# Altium PCB mTRL.PcbDoc
Units mm, origin at the board's own origin, x right, y up, seen from the top; angles counter-clockwise.
Board outline 230 x 100 mm, 2 copper layers (Top Layer, Bottom Layer), stack 1.62 mm thick; 14 components, 2 nets, 60 pads, 2244 vias.
Unrouted connection lines stored in the file: 5.
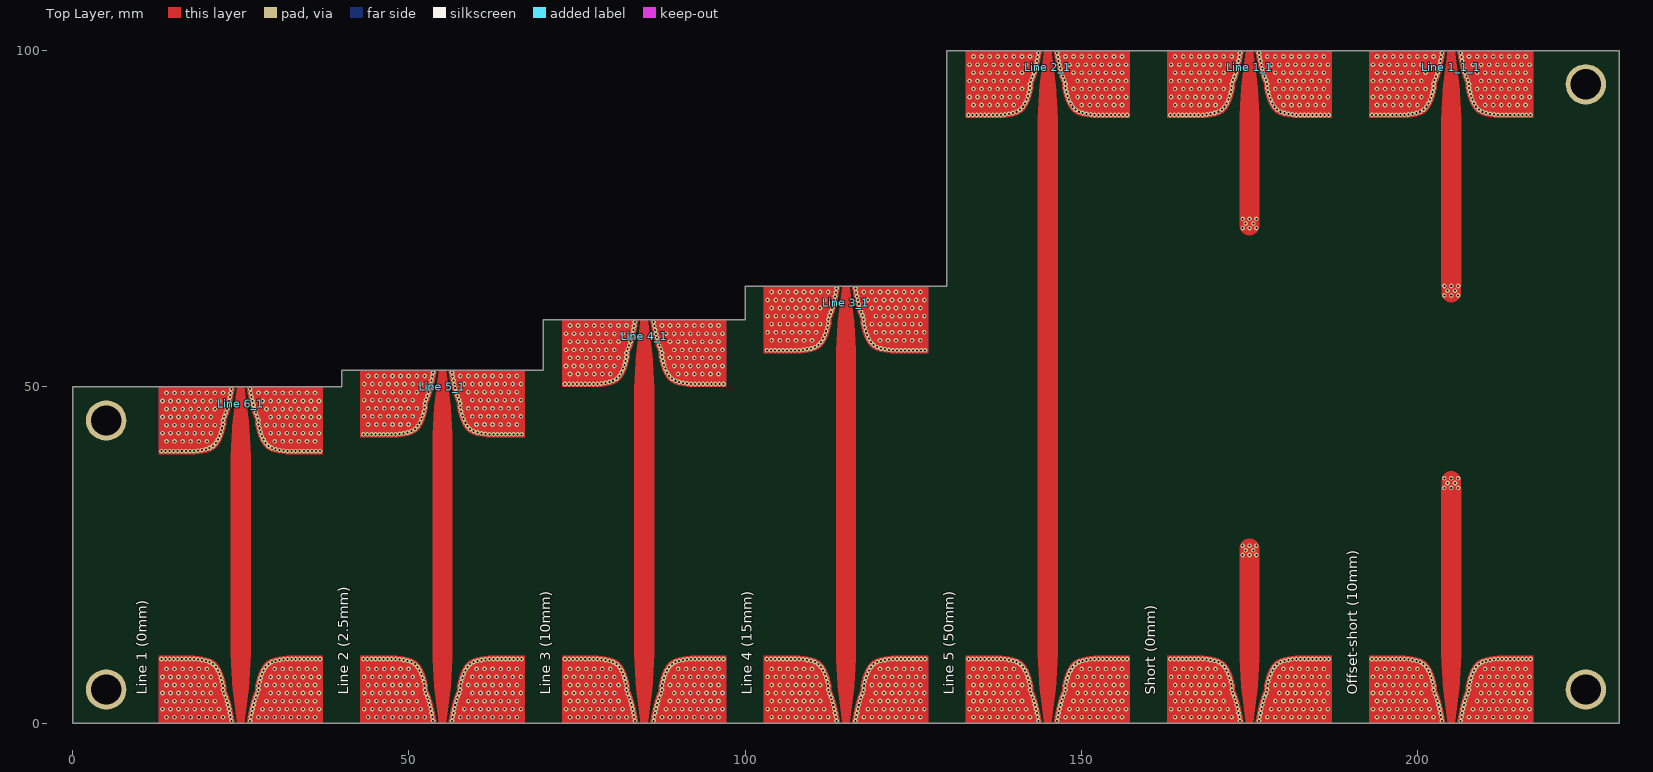
[diagram p0: Top Layer view]
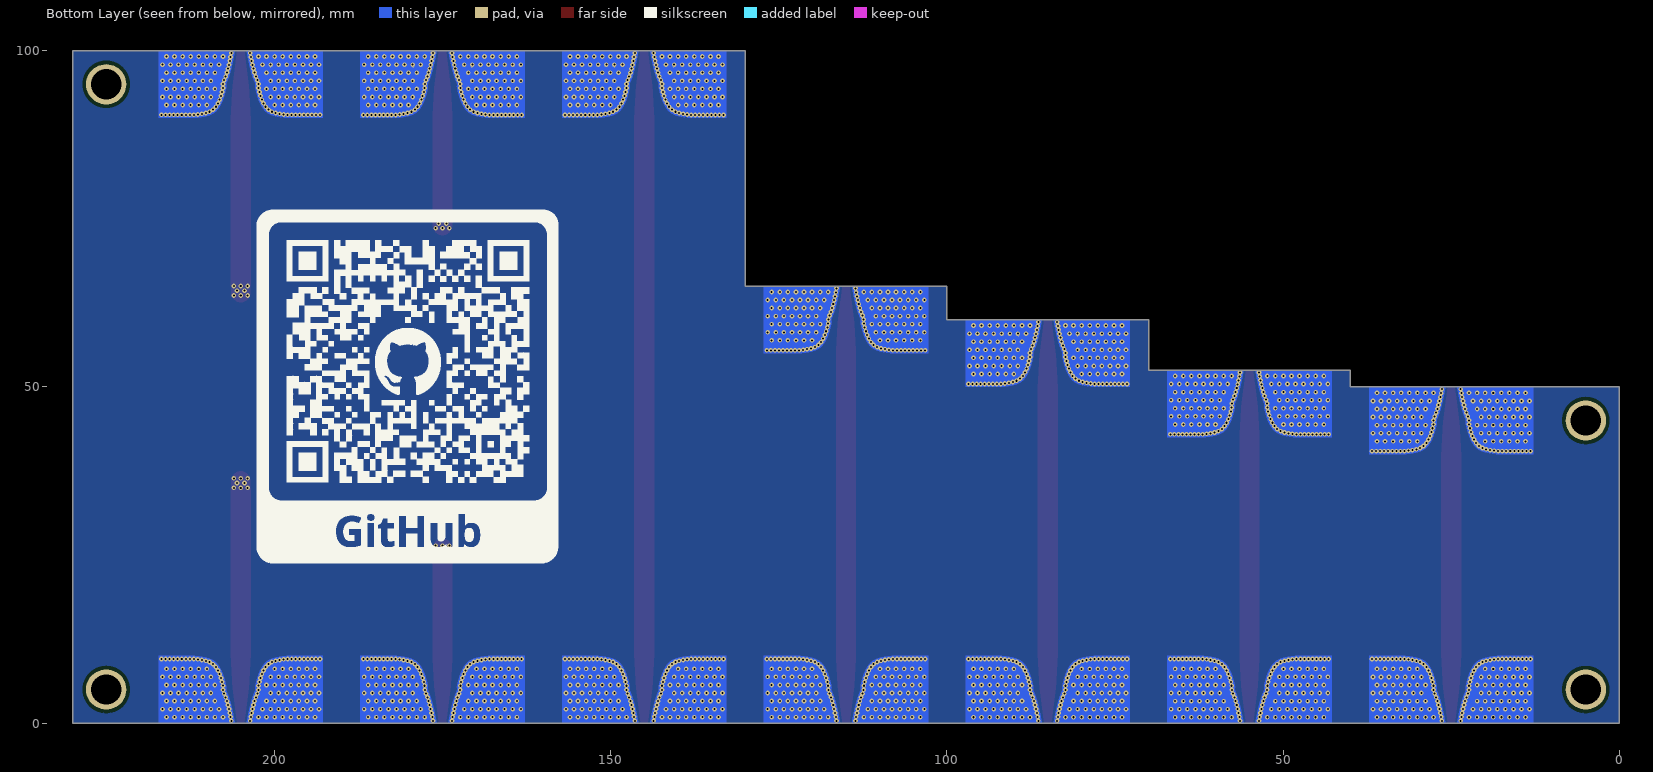
[diagram p1: Bottom Layer view, seen from below]

## Layer stack, top to bottom
Top Solder: solder mask 0.0102, Solder Resist, Dk 3.5
Top Layer: signal copper 0.035
Dielectric 1: dielectric 1.55, FR-4, Dk 4.8
Bottom Layer: signal copper 0.035
Bottom Solder: solder mask 0.0102, Solder Resist, Dk 3.5

## Board outline
0,0 0,49.998 40,49.998 40,52.498 70,52.498 70,59.999 100,59.999 100,64.999 130,64.999 130,100 230,100 230,0

## Design rules (kind name [scope] priority, off if disabled: settings)
BoardOutlineClearance [All] p1: gap=0 ignorepadtopadclearanceinfootprint=FALSE
Clearance [All] p1: gap=0.15 ignorepadtopadclearanceinfootprint=TRUE except(0: Arc-Region Arc-Hole Track-Region Track-Hole SMDPad-Region SMDPad-Hole THPad-Region THPad-Hole Via-Region Via-Hole Fill-Region Fill-Hole Poly-Region Poly-Hole Region-Region Region-Hole Text-Hole; 0.5: THPad-Poly)
PlaneConnect [All] p1: planeconnectstyle=Direct reliefexpansion=0.508 reliefentries=4 reliefconductorwidth=0.254 reliefairgap=0.254
PolygonConnect [All] p1: connectstyle=Direct reliefconductorwidth=0.254 reliefentries=4 polygonreliefangle="90 Angle" airgapwidth=0.254
RoutingVias [All] p1: holewidth=0.711 width=1.27 viastyle="Through Hole" minholewidth=0.2 minwidth=0.5 maxholewidth=0.711 maxwidth=1.27
ShortCircuit [All] p1 off: allowed=FALSE
SolderMaskExpansion [All] p1: expansion=0.102 istentingtop=FALSE
Width [All] p1: maxlimit=5 minlimit=0.15 preferedwidth=1.126
28 further rules are at their usual default settings.

## Components (designator, comment, footprint, x,y, rotation, side; value= is the part's Value field where it differs from the comment)
"Line 1 (0mm)" "Comment" JOHNSON-142-0701-801_SMA_TO_MS 25,0 r0 top
"Line 1_1" "Comment" JOHNSON-142-0701-801_SMA_TO_MS 175,100 r180 top
"Line 1_1_1" "Comment" JOHNSON-142-0701-801_SMA_TO_MS 205,100.001 r180 top
"Line 2 (2.5mm)" "Comment" JOHNSON-142-0701-801_SMA_TO_MS 55,0 r0 top
"Line 2_1" "Comment" JOHNSON-142-0701-801_SMA_TO_MS 145,100 r180 top
"Line 3 (10mm)" "Comment" JOHNSON-142-0701-801_SMA_TO_MS 85,0.001 r0 top
"Line 3_1" "Comment" JOHNSON-142-0701-801_SMA_TO_MS 115,64.999 r180 top
"Line 4 (15mm)" "Comment" JOHNSON-142-0701-801_SMA_TO_MS 115,0.001 r0 top
"Line 4_1" "Comment" JOHNSON-142-0701-801_SMA_TO_MS 85,59.999 r180 top
"Line 5 (50mm)" "Comment" JOHNSON-142-0701-801_SMA_TO_MS 145,0.001 r0 top
"Line 5_1" "Comment" JOHNSON-142-0701-801_SMA_TO_MS 55,52.499 r180 top
"Line 6_1" "Comment" JOHNSON-142-0701-801_SMA_TO_MS 25,49.998 r180 top
"Offset-short (10mm)" "Comment" JOHNSON-142-0701-801_SMA_TO_MS 205,0.002 r0 top
"Short (0mm)" "Comment" JOHNSON-142-0701-801_SMA_TO_MS 175,0.002 r0 top

## Footprints (in the part's own frame and the unit in brackets; to place one, negate y for a bottom-side part, rotate by r counter-clockwise, add the part's x,y. Pads: shape width x height; smd on the part's side, far side on the other; paste and mask are expansions set on the pad)
JOHNSON-142-0701-801_SMA_TO_MS [mil] "SMA 1.6mm to Microstrip"
  round 1 smd far side mask+0: 1(-172.5,98.43) 1(172.5,98.43)
  round 1 smd mask+0: 1(-172.5,98.43) 1(172.5,98.43)
  Top Layer region: 9521 vertices and 0 holes, not listed, extent -57.89,0 57.89,984.25
  Top Layer region: 1330 vertices and 0 holes, not listed, extent 34.81,0 481.18,393.81
  Top Layer region: 1330 vertices and 0 holes, not listed, extent -481.18,0 -34.81,393.81
  Top Layer region: -125,177.85 -125,0 -201,0 -220,19 -220,177.85 -201,196.85 -144,196.85
  Top Layer region: 220,19 201,0 125,0 125,177.85 144,196.85 201,196.85 220,177.85
  Bottom Layer region: 1330 vertices and 0 holes, not listed, extent 34.81,0 481.18,393.81
  Bottom Layer region: 1330 vertices and 0 holes, not listed, extent -481.18,0 -34.81,393.81
  Bottom Layer region: -125,177.85 -125,0 -201,0 -220,19 -220,177.85 -201,196.85 -144,196.85
  Bottom Layer region: 220,19 201,0 125,0 125,177.85 144,196.85 201,196.85 220,177.85
  body extent -188,-375 188,187, height 171

## Free pads (board coordinates)
  round 6 hole 4.5: 2(5,45) 2(5,5) 2(225,5.002) 2(225,95)

## Via types
v1: diameter 0.7, hole 0.3, Top Layer to Bottom Layer, tented both sides, 2244 vias

## Nets (pads, with @x,y where several pads share a name; then routed paths per layer and width w, separated by ;. In a path a pad name is that pad's centre, name@x,y a point inside that pad or via, vN(x,y) a via of type N, cw(c..) or ccw(c..) an arc to the next point about the centre after c; other vN are vias at no path point)
GND: "Line 1 (0mm).1" "Line 1_1.1" "Line 1_1_1.1" "Line 2 (2.5mm).1" "Line 2_1.1" "Line 3 (10mm).1" "Line 3_1.1" "Line 4 (15mm).1" "Line 4_1.1" "Line 5 (50mm).1" "Line 5_1.1" "Line 6_1.1" "Offset-short (10mm).1" "Short (0mm).1" | length 4
  Top Layer w2.941: v1(175,25.002) 175,26.002 ; 175,74 v1(175,75) ; v1(205,35.002) 205,36.002 ; 205,64.001 v1(205,65.001)
  other v1: 23.6,0.345 26.4,0.345 53.6,0.345 56.4,0.345 83.6,0.345 86.4,0.345 113.6,0.346 116.4,0.346 143.6,0.346 146.4,0.346 173.6,0.347 176.4,0.347 203.6,0.347 206.4,0.347 13.956,0.88 15.156,0.88 16.356,0.88 17.556,0.88 18.756,0.88 19.956,0.88 21.156,0.88 22.356,0.88 27.644,0.88 28.844,0.88 30.044,0.88 31.244,0.88 32.444,0.88 33.644,0.88 34.844,0.88 36.044,0.88 43.956,0.88 45.156,0.88 46.356,0.88 47.556,0.88 48.756,0.88 49.956,0.88 51.156,0.88 52.356,0.88 57.644,0.88 58.844,0.88 60.044,0.88 61.244,0.88 62.444,0.88 63.644,0.88 64.844,0.88 66.044,0.88 73.956,0.881 75.156,0.881 76.356,0.881 77.556,0.881 78.756,0.881 79.956,0.881 81.156,0.881 82.356,0.881 87.644,0.881 88.844,0.881 90.044,0.881 91.244,0.881 92.444,0.881 93.644,0.881 94.844,0.881 96.044,0.881 103.956,0.881 105.156,0.881 106.356,0.881 107.556,0.881 108.756,0.881 109.956,0.881 111.156,0.881 112.356,0.881 117.644,0.881 118.844,0.881 120.044,0.881 121.244,0.881 122.444,0.881 123.644,0.881 124.844,0.881 126.044,0.881 133.956,0.882 135.156,0.882 136.356,0.882 137.556,0.882 138.756,0.882 139.956,0.882 141.156,0.882 142.356,0.882 147.644,0.882 148.844,0.882 150.044,0.882 151.244,0.882 152.444,0.882 153.644,0.882 154.844,0.882 156.044,0.882 163.956,0.882 165.156,0.882 166.356,0.882 167.556,0.882 168.756,0.882 169.956,0.882 171.156,0.882 172.356,0.882 177.644,0.882 178.844,0.882 180.044,0.882 181.244,0.882 182.444,0.882 183.644,0.882 184.844,0.882 186.044,0.882 193.956,0.883 195.156,0.883 196.356,0.883 197.556,0.883 198.756,0.883 199.956,0.883 201.156,0.883 202.356,0.883 207.644,0.883 208.844,0.883 210.044,0.883 211.244,0.883 212.444,0.883 213.644,0.883 214.844,0.883 216.044,0.883 23.491,0.933 26.509,0.933 53.491,0.933 56.509,0.933 83.491,0.934 86.509,0.934 113.491,0.934 116.509,0.934 143.491,0.935 146.509,0.935 173.491,0.935 176.509,0.935 203.491,0.936 206.509,0.936 23.373,1.52 26.627,1.52 53.373,1.52 56.627,1.52 83.373,1.521 86.627,1.521 113.373,1.521 116.627,1.521 143.373,1.522 146.627,1.522 173.373,1.522 176.627,1.522 203.373,1.523 206.627,1.523 13.356,2.08 14.556,2.08 15.756,2.08 16.956,2.08 18.156,2.08 19.356,2.08 20.556,2.08 21.756,2.08 28.244,2.08 29.444,2.08 30.644,2.08 31.844,2.08 33.044,2.08 34.244,2.08 35.444,2.08 36.644,2.08 43.356,2.08 44.556,2.08 45.756,2.08 46.956,2.08 48.156,2.08 49.356,2.08 50.556,2.08 51.756,2.08 58.244,2.08 59.444,2.08 60.644,2.08 61.844,2.08 63.044,2.08 64.244,2.08 65.444,2.08 66.644,2.08 73.356,2.081 74.556,2.081 75.756,2.081 76.956,2.081 78.156,2.081 79.356,2.081 80.556,2.081 81.756,2.081 88.244,2.081 89.444,2.081 90.644,2.081 91.844,2.081 93.044,2.081 94.244,2.081 95.444,2.081 96.644,2.081 103.356,2.081 104.556,2.081 105.756,2.081 106.956,2.081 108.156,2.081 109.356,2.081 110.556,2.081 111.756,2.081 118.244,2.081 119.444,2.081 120.644,2.081 121.844,2.081 123.044,2.081 124.244,2.081 125.444,2.081 126.644,2.081 133.356,2.082 134.556,2.082 135.756,2.082 136.956,2.082 138.156,2.082 139.356,2.082 140.556,2.082 141.756,2.082 148.244,2.082 149.444,2.082 150.644,2.082 151.844,2.082 153.044,2.082 154.244,2.082 155.444,2.082 156.644,2.082 163.356,2.082 164.556,2.082 165.756,2.082 166.956,2.082 168.156,2.082 169.356,2.082 170.556,2.082 171.756,2.082 178.244,2.082 179.444,2.082 180.644,2.082 181.844,2.082 183.044,2.082 184.244,2.082 185.444,2.082 186.644,2.082 193.356,2.083 194.556,2.083 195.756,2.083 196.956,2.083 198.156,2.083 199.356,2.083 200.556,2.083 201.756,2.083 208.244,2.083 209.444,2.083 210.644,2.083 211.844,2.083 213.044,2.083 214.244,2.083 215.444,2.083 216.644,2.083 23.244,2.104 26.756,2.104 53.244,2.105 56.756,2.105 83.244,2.105 86.756,2.105 113.244,2.106 116.756,2.106 143.244,2.106 146.756,2.106 173.244,2.106 176.756,2.106 203.244,2.107 206.756,2.107 23.103,2.686 26.897,2.686 53.103,2.686 56.897,2.686 83.103,2.687 86.897,2.687 113.103,2.687 116.897,2.687 143.103,2.688 146.897,2.688 173.103,2.688 176.897,2.688 203.103,2.689 206.897,2.689 22.944,3.263 27.056,3.263 52.944,3.263 57.056,3.263 82.944,3.264 87.056,3.264 13.956,3.28 15.156,3.28 16.356,3.28 17.556,3.28 18.756,3.28 19.956,3.28 21.156,3.28 28.844,3.28 30.044,3.28 31.244,3.28 32.444,3.28 33.644,3.28 34.844,3.28 36.044,3.28 43.956,3.28 45.156,3.28 46.356,3.28 47.556,3.28 48.756,3.28 49.956,3.28 51.156,3.28 58.844,3.28 60.044,3.28 61.244,3.28 62.444,3.28 63.644,3.28 64.844,3.28 66.044,3.28 73.956,3.281 75.156,3.281 76.356,3.281 77.556,3.281 78.756,3.281 79.956,3.281 81.156,3.281 88.844,3.281 90.044,3.281 91.244,3.281 92.444,3.281 93.644,3.281 94.844,3.281 96.044,3.281 103.956,3.281 105.156,3.281 106.356,3.281 107.556,3.281 108.756,3.281 109.956,3.281 111.156,3.281 112.944,3.264 117.056,3.264 118.844,3.281 120.044,3.281 121.244,3.281 122.444,3.281 123.644,3.281 124.844,3.281 126.044,3.281 133.956,3.282 135.156,3.282 136.356,3.282 137.556,3.282 138.756,3.282 139.956,3.282 141.156,3.282 142.944,3.265 147.056,3.265 148.844,3.282 150.044,3.282 151.244,3.282 152.444,3.282 153.644,3.282 154.844,3.282 156.044,3.282 163.956,3.282 165.156,3.282 166.356,3.282 167.556,3.282 168.756,3.282 169.956,3.282 171.156,3.282 172.944,3.265 177.056,3.265 178.844,3.282 180.044,3.282 181.244,3.282 182.444,3.282 183.644,3.282 184.844,3.282 186.044,3.282 193.956,3.283 195.156,3.283 196.356,3.283 197.556,3.283 198.756,3.283 199.956,3.283 201.156,3.283 202.944,3.266 207.056,3.266 208.844,3.283 210.044,3.283 211.244,3.283 212.444,3.283 213.644,3.283 214.844,3.283 216.044,3.283 22.761,3.833 27.239,3.833 52.761,3.833 57.239,3.833 82.761,3.833 87.239,3.833 112.761,3.834 117.239,3.834 142.761,3.834 147.239,3.834 172.761,3.835 177.239,3.835 202.761,3.835 207.239,3.835 22.54,4.389 27.46,4.389 52.54,4.389 57.46,4.389 82.54,4.39 87.46,4.39 112.54,4.39 117.46,4.39 142.54,4.39 147.46,4.39 172.54,4.391 177.46,4.391 202.54,4.391 207.46,4.391 13.356,4.48 14.556,4.48 15.756,4.48 16.956,4.48 18.156,4.48 19.356,4.48 20.556,4.48 29.444,4.48 30.644,4.48 31.844,4.48 33.044,4.48 34.244,4.48 35.444,4.48 36.644,4.48 43.356,4.48 44.556,4.48 45.756,4.48 46.956,4.48 48.156,4.48 49.356,4.48 50.556,4.48 59.444,4.48 60.644,4.48 61.844,4.48 63.044,4.48 64.244,4.48 65.444,4.48 66.644,4.48 73.356,4.481 74.556,4.481 75.756,4.481 76.956,4.481 78.156,4.481 79.356,4.481 80.556,4.481 89.444,4.481 90.644,4.481 91.844,4.481 93.044,4.481 94.244,4.481 95.444,4.481 96.644,4.481 103.356,4.481 104.556,4.481 105.756,4.481 106.956,4.481 108.156,4.481 109.356,4.481 110.556,4.481 119.444,4.481 120.644,4.481 121.844,4.481 123.044,4.481 124.244,4.481 125.444,4.481 126.644,4.481 133.356,4.482 134.556,4.482 135.756,4.482 136.956,4.482 138.156,4.482 139.356,4.482 140.556,4.482 149.444,4.482 150.644,4.482 151.844,4.482 153.044,4.482 154.244,4.482 155.444,4.482 156.644,4.482 163.356,4.482 164.556,4.482 165.756,4.482 166.956,4.482 168.156,4.482 169.356,4.482 170.556,4.482 179.444,4.482 180.644,4.482 181.844,4.482 183.044,4.482 184.244,4.482 185.444,4.482 186.644,4.482 193.356,4.483 194.556,4.483 195.756,4.483 196.956,4.483 198.156,4.483 199.356,4.483 200.556,4.483 209.444,4.483 210.644,4.483 211.844,4.483 213.044,4.483 214.244,4.483 215.444,4.483 216.644,4.483 22.372,4.964 27.628,4.964 52.372,4.964 57.628,4.964 82.372,4.965 87.628,4.965 112.372,4.965 117.628,4.965 142.372,4.966 147.628,4.966 172.372,4.966 177.628,4.966 202.372,4.967 207.628,4.967 22.354,5.562 27.646,5.562 52.354,5.563 57.646,5.563 82.354,5.563 87.646,5.563 112.354,5.564 117.646,5.564 142.354,5.564 147.646,5.564 172.354,5.564 177.646,5.564 202.354,5.565 207.646,5.565 13.956,5.68 15.156,5.68 16.356,5.68 17.556,5.68 18.756,5.68 19.956,5.68 21.156,5.68 28.844,5.68 30.044,5.68 31.244,5.68 32.444,5.68 33.644,5.68 34.844,5.68 36.044,5.68 43.956,5.68 45.156,5.68 46.356,5.68 47.556,5.68 48.756,5.68 49.956,5.68 51.156,5.68 58.844,5.68 60.044,5.68 61.244,5.68 62.444,5.68 63.644,5.68 64.844,5.68 66.044,5.68 73.956,5.681 75.156,5.681 76.356,5.681 77.556,5.681 78.756,5.681 79.956,5.681 81.156,5.681 88.844,5.681 90.044,5.681 91.244,5.681 92.444,5.681 93.644,5.681 94.844,5.681 96.044,5.681 103.956,5.681 105.156,5.681 106.356,5.681 107.556,5.681 108.756,5.681 109.956,5.681 111.156,5.681 118.844,5.681 120.044,5.681 121.244,5.681 122.444,5.681 123.644,5.681 124.844,5.681 126.044,5.681 133.956,5.682 135.156,5.682 136.356,5.682 137.556,5.682 138.756,5.682 139.956,5.682 141.156,5.682 148.844,5.682 150.044,5.682 151.244,5.682 152.444,5.682 153.644,5.682 154.844,5.682 156.044,5.682 163.956,5.682 165.156,5.682 166.356,5.682 167.556,5.682 168.756,5.682 169.956,5.682 171.156,5.682 178.844,5.682 180.044,5.682 181.244,5.682 182.444,5.682 183.644,5.682 184.844,5.682 186.044,5.682 193.956,5.683 195.156,5.683 196.356,5.683 197.556,5.683 198.756,5.683 199.956,5.683 201.156,5.683 208.844,5.683 210.044,5.683 211.244,5.683 212.444,5.683 213.644,5.683 214.844,5.683 216.044,5.683 22.218,6.145 27.782,6.145 52.218,6.146 57.782,6.146 82.218,6.146 87.782,6.146 112.218,6.147 117.782,6.147 142.218,6.147 147.782,6.147 172.218,6.147 177.782,6.147 202.218,6.148 207.782,6.148 22.056,6.721 27.944,6.721 52.056,6.722 57.944,6.722 82.056,6.722 87.944,6.722 112.056,6.723 117.944,6.723 142.056,6.723 147.944,6.723 172.056,6.723 177.944,6.723 202.056,6.724 207.944,6.724 13.356,6.88 14.556,6.88 15.756,6.88 16.956,6.88 18.156,6.88 19.356,6.88 20.556,6.88 29.444,6.88 30.644,6.88 31.844,6.88 33.044,6.88 34.244,6.88 35.444,6.88 36.644,6.88 43.356,6.88 44.556,6.88 45.756,6.88 46.956,6.88 48.156,6.88 49.356,6.88 50.556,6.88 59.444,6.88 60.644,6.88 61.844,6.88 63.044,6.88 64.244,6.88 65.444,6.88 66.644,6.88 73.356,6.881 74.556,6.881 75.756,6.881 76.956,6.881 78.156,6.881 79.356,6.881 80.556,6.881 89.444,6.881 90.644,6.881 91.844,6.881 93.044,6.881 94.244,6.881 95.444,6.881 96.644,6.881 103.356,6.881 104.556,6.881 105.756,6.881 106.956,6.881 108.156,6.881 109.356,6.881 110.556,6.881 119.444,6.881 120.644,6.881 121.844,6.881 123.044,6.881 124.244,6.881 125.444,6.881 126.644,6.881 133.356,6.882 134.556,6.882 135.756,6.882 136.956,6.882 138.156,6.882 139.356,6.882 140.556,6.882 149.444,6.882 150.644,6.882 151.844,6.882 153.044,6.882 154.244,6.882 155.444,6.882 156.644,6.882 163.356,6.882 164.556,6.882 165.756,6.882 166.956,6.882 168.156,6.882 169.356,6.882 170.556,6.882 179.444,6.882 180.644,6.882 181.844,6.882 183.044,6.882 184.244,6.882 185.444,6.882 186.644,6.882 193.356,6.883 194.556,6.883 195.756,6.883 196.956,6.883 198.156,6.883 199.356,6.883 200.556,6.883 209.444,6.883 210.644,6.883 211.844,6.883 213.044,6.883 214.244,6.883 215.444,6.883 216.644,6.883 21.857,7.286 28.143,7.286 51.857,7.286 58.143,7.286 81.857,7.287 88.143,7.287 111.857,7.287 118.143,7.287 141.857,7.287 148.143,7.287 171.857,7.288 178.143,7.288 201.857,7.288 208.143,7.288 21.603,7.828 28.397,7.828 51.603,7.828 58.397,7.828 81.603,7.828 88.397,7.828 111.603,7.829 118.397,7.829 141.603,7.829 148.397,7.829 171.603,7.83 178.397,7.83 201.603,7.83 208.397,7.83 13.956,8.08 15.156,8.08 16.356,8.08 17.556,8.08 18.756,8.08 19.956,8.08 30.044,8.08 31.244,8.08 32.444,8.08 33.644,8.08 34.844,8.08 36.044,8.08 43.956,8.08 45.156,8.08 46.356,8.08 47.556,8.08 48.756,8.08 49.956,8.08 60.044,8.08 61.244,8.08 62.444,8.08 63.644,8.08 64.844,8.08 66.044,8.08 73.956,8.081 75.156,8.081 76.356,8.081 77.556,8.081 78.756,8.081 79.956,8.081 90.044,8.081 91.244,8.081 92.444,8.081 93.644,8.081 94.844,8.081 96.044,8.081 103.956,8.081 105.156,8.081 106.356,8.081 107.556,8.081 108.756,8.081 109.956,8.081 120.044,8.081 121.244,8.081 122.444,8.081 123.644,8.081 124.844,8.081 126.044,8.081 133.956,8.082 135.156,8.082 136.356,8.082 137.556,8.082 138.756,8.082 139.956,8.082 150.044,8.082 151.244,8.082 152.444,8.082 153.644,8.082 154.844,8.082 156.044,8.082 163.956,8.082 165.156,8.082 166.356,8.082 167.556,8.082 168.756,8.082 169.956,8.082 180.044,8.082 181.244,8.082 182.444,8.082 183.644,8.082 184.844,8.082 186.044,8.082 193.956,8.083 195.156,8.083 196.356,8.083 197.556,8.083 198.756,8.083 199.956,8.083 210.044,8.083 211.244,8.083 212.444,8.083 213.644,8.083 214.844,8.083 216.044,8.083 21.295,8.341 28.705,8.341 51.295,8.342 58.705,8.342 81.295,8.342 88.705,8.342 111.295,8.342 118.705,8.342 141.295,8.343 148.705,8.343 171.295,8.343 178.705,8.343 201.295,8.344 208.705,8.344 20.882,8.776 29.118,8.776 50.882,8.776 59.118,8.776 80.882,8.777 89.118,8.777 110.882,8.777 119.118,8.777 140.882,8.778 149.118,8.778 170.882,8.778 179.118,8.778 200.882,8.779 209.118,8.779 20.368,9.084 29.632,9.084 50.368,9.084 59.632,9.084 80.368,9.084 89.632,9.084 110.368,9.085 119.632,9.085 140.368,9.085 149.632,9.085 170.368,9.086 179.632,9.086 200.368,9.086 209.632,9.086 19.801,9.276 30.199,9.276 49.801,9.277 60.199,9.277 79.801,9.277 90.199,9.277 109.801,9.277 120.199,9.277 139.801,9.278 150.199,9.278 169.801,9.278 180.199,9.278 199.801,9.279 210.199,9.279 19.215,9.397 30.785,9.397 49.215,9.397 60.785,9.397 79.215,9.398 90.785,9.398 109.215,9.398 120.785,9.398 139.215,9.398 150.785,9.398 169.215,9.399 180.785,9.399 199.215,9.399 210.785,9.399 18.622,9.482 31.378,9.482 48.622,9.483 61.378,9.483 78.622,9.483 91.378,9.483 108.622,9.484 121.378,9.484 138.622,9.484 151.378,9.484 168.622,9.484 181.378,9.484 198.622,9.485 211.378,9.485 13.228,9.552 13.828,9.552 14.428,9.552 15.028,9.552 15.628,9.552 16.228,9.552 16.828,9.552 17.428,9.552 18.028,9.552 31.972,9.552 32.572,9.552 33.172,9.552 33.772,9.552 34.372,9.552 34.972,9.552 35.572,9.552 36.172,9.552 36.772,9.552 43.228,9.553 43.828,9.553 44.428,9.553 45.028,9.553 45.628,9.553 46.228,9.553 46.828,9.553 47.428,9.553 48.028,9.553 61.972,9.553 62.572,9.553 63.172,9.553 63.772,9.553 64.372,9.553 64.972,9.553 65.572,9.553 66.172,9.553 66.772,9.553 73.228,9.553 73.828,9.553 74.428,9.553 75.028,9.553 75.628,9.553 76.228,9.553 76.828,9.553 77.428,9.553 78.028,9.553 91.972,9.553 92.572,9.553 93.172,9.553 93.772,9.553 94.372,9.553 94.972,9.553 95.572,9.553 96.172,9.553 96.772,9.553 103.228,9.554 103.828,9.554 104.428,9.554 105.028,9.554 105.628,9.554 106.228,9.554 106.828,9.554 107.428,9.554 108.028,9.554 121.972,9.554 122.572,9.554 123.172,9.554 123.772,9.554 124.372,9.554 124.972,9.554 125.572,9.554 126.172,9.554 126.772,9.554 133.228,9.554 133.828,9.554 134.428,9.554 135.028,9.554 135.628,9.554 136.228,9.554 136.828,9.554 137.428,9.554 138.028,9.554 151.972,9.554 152.572,9.554 153.172,9.554 153.772,9.554 154.372,9.554 154.972,9.554 155.572,9.554 156.172,9.554 156.772,9.554 163.228,9.555 163.828,9.555 164.428,9.555 165.028,9.555 165.628,9.555 166.228,9.555 166.828,9.555 167.428,9.555 168.028,9.555 181.972,9.555 182.572,9.555 183.172,9.555 183.772,9.555 184.372,9.555 184.972,9.555 185.572,9.555 186.172,9.555 186.772,9.555 193.228,9.555 193.828,9.555 194.428,9.555 195.028,9.555 195.628,9.555 196.228,9.555 196.828,9.555 197.428,9.555 198.028,9.555 211.972,9.555 212.572,9.555 213.172,9.555 213.772,9.555 214.372,9.555 214.972,9.555 215.572,9.555 216.172,9.555 216.772,9.555 173.979,25.002 176.02,25.002 174.429,25.702 175.57,25.702 173.979,26.402 175,26.402 176.02,26.402 203.98,35.002 206.02,35.002 204.429,35.702 205.571,35.702 203.98,36.402 205,36.402 206.02,36.402 13.228,40.446 13.828,40.446 14.428,40.446 15.028,40.446 15.628,40.446 16.228,40.446 16.828,40.446 17.428,40.446 18.028,40.446 31.972,40.446 32.572,40.446 33.172,40.446 33.772,40.446 34.372,40.446 34.972,40.446 35.572,40.446 36.172,40.446 36.772,40.446 18.622,40.516 31.378,40.516 19.215,40.601 30.785,40.601 19.801,40.722 30.199,40.722 20.368,40.915 29.632,40.915 20.882,41.222 29.118,41.222 21.295,41.657 28.705,41.657 13.956,41.918 15.156,41.918 16.356,41.918 17.556,41.918 18.756,41.918 19.956,41.918 30.044,41.918 31.244,41.918 32.444,41.918 33.644,41.918 34.844,41.918 36.044,41.918 21.603,42.171 28.397,42.171 21.857,42.712 28.143,42.712 43.228,42.946 43.828,42.946 44.428,42.946 45.028,42.946 45.628,42.946 46.228,42.946 46.828,42.946 47.428,42.946 48.028,42.946 61.972,42.946 62.572,42.946 63.172,42.946 63.772,42.946 64.372,42.946 64.972,42.946 65.572,42.946 66.172,42.946 66.772,42.946 48.622,43.016 61.378,43.016 49.215,43.102 60.785,43.102 13.356,43.118 14.556,43.118 15.756,43.118 16.956,43.118 18.156,43.118 19.356,43.118 20.556,43.118 29.444,43.118 30.644,43.118 31.844,43.118 33.044,43.118 34.244,43.118 35.444,43.118 36.644,43.118 49.801,43.222 60.199,43.222 22.056,43.277 27.944,43.277 50.368,43.415 59.632,43.415 50.882,43.722 59.118,43.722 22.218,43.853 27.782,43.853 51.295,44.157 58.705,44.157 13.956,44.318 15.156,44.318 16.356,44.318 17.556,44.318 18.756,44.318 19.956,44.318 21.156,44.318 28.844,44.318 30.044,44.318 31.244,44.318 32.444,44.318 33.644,44.318 34.844,44.318 36.044,44.318 22.354,44.436 27.646,44.436 43.956,44.418 45.156,44.418 46.356,44.418 47.556,44.418 48.756,44.418 49.956,44.418 60.044,44.418 61.244,44.418 62.444,44.418 63.644,44.418 64.844,44.418 66.044,44.418 51.603,44.671 58.397,44.671 22.372,45.034 27.628,45.034 51.857,45.213 58.143,45.213 13.356,45.518 14.556,45.518 15.756,45.518 16.956,45.518 18.156,45.518 19.356,45.518 20.556,45.518 29.444,45.518 30.644,45.518 31.844,45.518 33.044,45.518 34.244,45.518 35.444,45.518 36.644,45.518 22.54,45.609 27.46,45.609 43.356,45.618 44.556,45.618 45.756,45.618 46.956,45.618 48.156,45.618 49.356,45.618 50.556,45.618 59.444,45.618 60.644,45.618 61.844,45.618 63.044,45.618 64.244,45.618 65.444,45.618 66.644,45.618 52.056,45.777 57.944,45.777 22.761,46.166 27.239,46.166 52.218,46.353 57.782,46.353 13.956,46.718 15.156,46.718 16.356,46.718 17.556,46.718 18.756,46.718 19.956,46.718 21.156,46.718 28.844,46.718 30.044,46.718 31.244,46.718 32.444,46.718 33.644,46.718 34.844,46.718 36.044,46.718 22.944,46.735 27.056,46.735 43.956,46.818 45.156,46.818 46.356,46.818 47.556,46.818 48.756,46.818 49.956,46.818 51.156,46.818 58.844,46.818 60.044,46.818 61.244,46.818 62.444,46.818 63.644,46.818 64.844,46.818 66.044,46.818 52.354,46.936 57.646,46.936 23.103,47.312 26.897,47.312 52.372,47.534 57.628,47.534 23.244,47.894 26.756,47.894 13.356,47.918 14.556,47.918 15.756,47.918 16.956,47.918 18.156,47.918 19.356,47.918 20.556,47.918 21.756,47.918 28.244,47.918 29.444,47.918 30.644,47.918 31.844,47.918 33.044,47.918 34.244,47.918 35.444,47.918 36.644,47.918 43.356,48.018 44.556,48.018 45.756,48.018 46.956,48.018 48.156,48.018 49.356,48.018 50.556,48.018 59.444,48.018 60.644,48.018 61.844,48.018 63.044,48.018 64.244,48.018 65.444,48.018 66.644,48.018 52.54,48.11 57.46,48.11 23.373,48.478 26.627,48.478 52.761,48.666 57.239,48.666 23.491,49.065 26.509,49.065 13.956,49.118 15.156,49.118 16.356,49.118 17.556,49.118 18.756,49.118 19.956,49.118 21.156,49.118 22.356,49.118 27.644,49.118 28.844,49.118 30.044,49.118 31.244,49.118 32.444,49.118 33.644,49.118 34.844,49.118 36.044,49.118 43.956,49.218 45.156,49.218 46.356,49.218 47.556,49.218 48.756,49.218 49.956,49.218 51.156,49.218 52.944,49.235 57.056,49.235 58.844,49.218 60.044,49.218 61.244,49.218 62.444,49.218 63.644,49.218 64.844,49.218 66.044,49.218 23.6,49.654 26.4,49.654 53.103,49.812 56.897,49.812 53.244,50.394 56.756,50.394 43.356,50.418 44.556,50.418 45.756,50.418 46.956,50.418 48.156,50.418 49.356,50.418 50.556,50.418 51.756,50.418 58.244,50.418 59.444,50.418 60.644,50.418 61.844,50.418 63.044,50.418 64.244,50.418 65.444,50.418 66.644,50.418 73.228,50.446 73.828,50.446 74.428,50.446 75.028,50.446 75.628,50.446 76.228,50.446 76.828,50.446 77.428,50.446 78.028,50.446 91.972,50.446 92.572,50.446 93.172,50.446 93.772,50.446 94.372,50.446 94.972,50.446 95.572,50.446 96.172,50.446 96.772,50.446 78.622,50.516 91.378,50.516 79.215,50.602 90.785,50.602 79.801,50.723 90.199,50.723 80.368,50.915 89.632,50.915 53.373,50.978 56.627,50.978 80.882,51.223 89.118,51.223 53.491,51.565 56.509,51.565 43.956,51.618 45.156,51.618 46.356,51.618 47.556,51.618 48.756,51.618 49.956,51.618 51.156,51.618 52.356,51.618 57.644,51.618 58.844,51.618 60.044,51.618 61.244,51.618 62.444,51.618 63.644,51.618 64.844,51.618 66.044,51.618 81.295,51.658 88.705,51.658 73.956,51.919 75.156,51.919 76.356,51.919 77.556,51.919 78.756,51.919 79.956,51.919 90.044,51.919 91.244,51.919 92.444,51.919 93.644,51.919 94.844,51.919 96.044,51.919 53.6,52.154 56.4,52.154 81.603,52.171 88.397,52.171 81.857,52.713 88.143,52.713 73.356,53.119 74.556,53.119 75.756,53.119 76.956,53.119 78.156,53.119 79.356,53.119 80.556,53.119 89.444,53.119 90.644,53.119 91.844,53.119 93.044,53.119 94.244,53.119 95.444,53.119 96.644,53.119 82.056,53.277 87.944,53.277 82.218,53.853 87.782,53.853 73.956,54.319 75.156,54.319 76.356,54.319 77.556,54.319 78.756,54.319 79.956,54.319 81.156,54.319 88.844,54.319 90.044,54.319 91.244,54.319 92.444,54.319 93.644,54.319 94.844,54.319 96.044,54.319 82.354,54.436 87.646,54.436 82.372,55.035 87.628,55.035 103.228,55.447 103.828,55.447 104.428,55.447 105.028,55.447 105.628,55.447 106.228,55.447 106.828,55.447 107.428,55.447 108.028,55.447 121.972,55.447 122.572,55.447 123.172,55.447 123.772,55.447 124.372,55.447 124.972,55.447 125.572,55.447 126.172,55.447 126.772,55.447 73.356,55.519 74.556,55.519 75.756,55.519 76.956,55.519 78.156,55.519 79.356,55.519 80.556,55.519 89.444,55.519 90.644,55.519 91.844,55.519 93.044,55.519 94.244,55.519 95.444,55.519 96.644,55.519 108.622,55.517 121.378,55.517 82.54,55.61 87.46,55.61 109.215,55.602 120.785,55.602 109.801,55.723 120.199,55.723 110.368,55.916 119.632,55.916 82.761,56.166 87.239,56.166 110.882,56.223 119.118,56.223 111.295,56.658 118.705,56.658 73.956,56.719 75.156,56.719 76.356,56.719 77.556,56.719 78.756,56.719 79.956,56.719 81.156,56.719 88.844,56.719 90.044,56.719 91.244,56.719 92.444,56.719 93.644,56.719 94.844,56.719 96.044,56.719 82.944,56.736 87.056,56.736 103.956,56.919 105.156,56.919 106.356,56.919 107.556,56.919 108.756,56.919 109.956,56.919 120.044,56.919 121.244,56.919 122.444,56.919 123.644,56.919 124.844,56.919 126.044,56.919 111.603,57.172 118.397,57.172 83.103,57.313 86.897,57.313 111.857,57.713 118.143,57.713 83.244,57.894 86.756,57.894 73.356,57.919 74.556,57.919 75.756,57.919 76.956,57.919 78.156,57.919 79.356,57.919 80.556,57.919 81.756,57.919 88.244,57.919 89.444,57.919 90.644,57.919 91.844,57.919 93.044,57.919 94.244,57.919 95.444,57.919 96.644,57.919 103.356,58.119 104.556,58.119 105.756,58.119 106.956,58.119 108.156,58.119 109.356,58.119 110.556,58.119 119.444,58.119 120.644,58.119 121.844,58.119 123.044,58.119 124.244,58.119 125.444,58.119 126.644,58.119 112.056,58.278 117.944,58.278 83.373,58.479 86.627,58.479 112.218,58.854 117.782,58.854 83.491,59.066 86.509,59.066 73.956,59.119 75.156,59.119 76.356,59.119 77.556,59.119 78.756,59.119 79.956,59.119 81.156,59.119 82.356,59.119 87.644,59.119 88.844,59.119 90.044,59.119 91.244,59.119 92.444,59.119 93.644,59.119 94.844,59.119 96.044,59.119 103.956,59.319 105.156,59.319 106.356,59.319 107.556,59.319 108.756,59.319 109.956,59.319 111.156,59.319 118.844,59.319 120.044,59.319 121.244,59.319 122.444,59.319 123.644,59.319 124.844,59.319 126.044,59.319 112.354,59.437 117.646,59.437 83.6,59.654 86.4,59.654 112.372,60.035 117.628,60.035 103.356,60.519 104.556,60.519 105.756,60.519 106.956,60.519 108.156,60.519 109.356,60.519 110.556,60.519 119.444,60.519 120.644,60.519 121.844,60.519 123.044,60.519 124.244,60.519 125.444,60.519 126.644,60.519 112.54,60.61 117.46,60.61 112.761,61.167 117.239,61.167 103.956,61.719 105.156,61.719 106.356,61.719 107.556,61.719 108.756,61.719 109.956,61.719 111.156,61.719 118.844,61.719 120.044,61.719 121.244,61.719 122.444,61.719 123.644,61.719 124.844,61.719 126.044,61.719 112.944,61.736 117.056,61.736 113.103,62.313 116.897,62.313 113.244,62.895 116.756,62.895 103.356,62.919 104.556,62.919 105.756,62.919 106.956,62.919 108.156,62.919 109.356,62.919 110.556,62.919 111.756,62.919 118.244,62.919 119.444,62.919 120.644,62.919 121.844,62.919 123.044,62.919 124.244,62.919 125.444,62.919 126.644,62.919 113.373,63.479 116.627,63.479 203.98,63.601 205,63.601 206.021,63.601 113.491,64.066 116.509,64.066 103.956,64.119 105.156,64.119 106.356,64.119 107.556,64.119 108.756,64.119 109.956,64.119 111.156,64.119 112.356,64.119 117.644,64.119 118.844,64.119 120.044,64.119 121.244,64.119 122.444,64.119 123.644,64.119 124.844,64.119 126.044,64.119 204.43,64.301 205.571,64.301 113.6,64.655 116.4,64.655 203.98,65.001 206.021,65.001 173.98,73.6 175,73.6 176.021,73.6 174.43,74.3 175.571,74.3 173.98,75 176.021,75 133.228,90.447 133.828,90.447 134.428,90.447 135.028,90.447 135.628,90.447 136.228,90.447 136.828,90.447 137.428,90.447 138.028,90.447 151.972,90.447 152.572,90.447 153.172,90.447 153.772,90.447 154.372,90.447 154.972,90.447 155.572,90.447 156.172,90.447 156.772,90.447 163.228,90.448 163.828,90.448 164.428,90.448 165.028,90.448 165.628,90.448 166.228,90.448 166.828,90.448 167.428,90.448 168.028,90.448 181.972,90.448 182.572,90.448 183.172,90.448 183.772,90.448 184.372,90.448 184.972,90.448 185.572,90.448 186.172,90.448 186.772,90.448 193.228,90.448 193.828,90.448 194.428,90.448 195.028,90.448 195.628,90.448 196.228,90.448 196.828,90.448 197.428,90.448 198.028,90.448 211.972,90.448 212.572,90.448 213.172,90.448 213.772,90.448 214.372,90.448 214.972,90.448 215.572,90.448 216.172,90.448 216.772,90.448 138.622,90.517 151.378,90.517 168.622,90.518 181.378,90.518 198.622,90.518 211.378,90.518 139.215,90.603 150.785,90.603 169.215,90.603 180.785,90.603 199.215,90.604 210.785,90.604 139.801,90.723 150.199,90.723 169.801,90.724 180.199,90.724 199.801,90.724 210.199,90.724 140.368,90.916 149.632,90.916 170.368,90.916 179.632,90.916 200.368,90.917 209.632,90.917 140.882,91.224 149.118,91.224 170.882,91.224 179.118,91.224 200.882,91.225 209.118,91.225 141.295,91.658 148.705,91.658 171.295,91.659 178.705,91.659 201.295,91.659 208.705,91.659 133.956,91.92 135.156,91.92 136.356,91.92 137.556,91.92 138.756,91.92 139.956,91.92 150.044,91.92 151.244,91.92 152.444,91.92 153.644,91.92 154.844,91.92 156.044,91.92 163.956,91.92 165.156,91.92 166.356,91.92 167.556,91.92 168.756,91.92 169.956,91.92 180.044,91.92 181.244,91.92 182.444,91.92 183.644,91.92 184.844,91.92 186.044,91.92 193.956,91.921 195.156,91.921 196.356,91.921 197.556,91.921 198.756,91.921 199.956,91.921 210.044,91.921 211.244,91.921 212.444,91.921 213.644,91.921 214.844,91.921 216.044,91.921 141.603,92.172 148.397,92.172 171.603,92.172 178.397,92.172 201.603,92.173 208.397,92.173 141.857,92.714 148.143,92.714 171.857,92.714 178.143,92.714 201.857,92.715 208.143,92.715 133.356,93.12 134.556,93.12 135.756,93.12 136.956,93.12 138.156,93.12 139.356,93.12 140.556,93.12 149.444,93.12 150.644,93.12 151.844,93.12 153.044,93.12 154.244,93.12 155.444,93.12 156.644,93.12 163.356,93.12 164.556,93.12 165.756,93.12 166.956,93.12 168.156,93.12 169.356,93.12 170.556,93.12 179.444,93.12 180.644,93.12 181.844,93.12 183.044,93.12 184.244,93.12 185.444,93.12 186.644,93.12 193.356,93.121 194.556,93.121 195.756,93.121 196.956,93.121 198.156,93.121 199.356,93.121 200.556,93.121 209.444,93.121 210.644,93.121 211.844,93.121 213.044,93.121 214.244,93.121 215.444,93.121 216.644,93.121 142.056,93.278 147.944,93.278 172.056,93.279 177.944,93.279 202.056,93.279 207.944,93.279 142.218,93.854 147.782,93.854 172.218,93.855 177.782,93.855 202.218,93.855 207.782,93.855 133.956,94.32 135.156,94.32 136.356,94.32 137.556,94.32 138.756,94.32 139.956,94.32 141.156,94.32 148.844,94.32 150.044,94.32 151.244,94.32 152.444,94.32 153.644,94.32 154.844,94.32 156.044,94.32 163.956,94.32 165.156,94.32 166.356,94.32 167.556,94.32 168.756,94.32 169.956,94.32 171.156,94.32 178.844,94.32 180.044,94.32 181.244,94.32 182.444,94.32 183.644,94.32 184.844,94.32 186.044,94.32 193.956,94.321 195.156,94.321 196.356,94.321 197.556,94.321 198.756,94.321 199.956,94.321 201.156,94.321 208.844,94.321 210.044,94.321 211.244,94.321 212.444,94.321 213.644,94.321 214.844,94.321 216.044,94.321 142.354,94.437 147.646,94.437 172.354,94.438 177.646,94.438 202.354,94.438 207.646,94.438 142.372,95.036 147.628,95.036 172.372,95.036 177.628,95.036 202.372,95.037 207.628,95.037 133.356,95.52 134.556,95.52 135.756,95.52 136.956,95.52 138.156,95.52 139.356,95.52 140.556,95.52 149.444,95.52 150.644,95.52 151.844,95.52 153.044,95.52 154.244,95.52 155.444,95.52 156.644,95.52 163.356,95.52 164.556,95.52 165.756,95.52 166.956,95.52 168.156,95.52 169.356,95.52 170.556,95.52 179.444,95.52 180.644,95.52 181.844,95.52 183.044,95.52 184.244,95.52 185.444,95.52 186.644,95.52 193.356,95.521 194.556,95.521 195.756,95.521 196.956,95.521 198.156,95.521 199.356,95.521 200.556,95.521 209.444,95.521 210.644,95.521 211.844,95.521 213.044,95.521 214.244,95.521 215.444,95.521 216.644,95.521 142.54,95.611 147.46,95.611 172.54,95.611 177.46,95.611 202.54,95.612 207.46,95.612 142.761,96.167 147.239,96.167 172.761,96.167 177.239,96.167 202.761,96.168 207.239,96.168 133.956,96.72 135.156,96.72 136.356,96.72 137.556,96.72 138.756,96.72 139.956,96.72 141.156,96.72 148.844,96.72 150.044,96.72 151.244,96.72 152.444,96.72 153.644,96.72 154.844,96.72 156.044,96.72 163.956,96.72 165.156,96.72 166.356,96.72 167.556,96.72 168.756,96.72 169.956,96.72 171.156,96.72 178.844,96.72 180.044,96.72 181.244,96.72 182.444,96.72 183.644,96.72 184.844,96.72 186.044,96.72 193.956,96.721 195.156,96.721 196.356,96.721 197.556,96.721 198.756,96.721 199.956,96.721 201.156,96.721 208.844,96.721 210.044,96.721 211.244,96.721 212.444,96.721 213.644,96.721 214.844,96.721 216.044,96.721 142.944,96.737 147.056,96.737 172.944,96.737 177.056,96.737 202.944,96.738 207.056,96.738 143.103,97.314 146.897,97.314 173.103,97.314 176.897,97.314 203.103,97.315 206.897,97.315 143.244,97.895 146.756,97.895 173.244,97.896 176.756,97.896 203.244,97.896 206.756,97.896 133.356,97.92 134.556,97.92 135.756,97.92 136.956,97.92 138.156,97.92 139.356,97.92 140.556,97.92 141.756,97.92 148.244,97.92 149.444,97.92 150.644,97.92 151.844,97.92 153.044,97.92 154.244,97.92 155.444,97.92 156.644,97.92 163.356,97.92 164.556,97.92 165.756,97.92 166.956,97.92 168.156,97.92 169.356,97.92 170.556,97.92 171.756,97.92 178.244,97.92 179.444,97.92 180.644,97.92 181.844,97.92 183.044,97.92 184.244,97.92 185.444,97.92 186.644,97.92 193.356,97.921 194.556,97.921 195.756,97.921 196.956,97.921 198.156,97.921 199.356,97.921 200.556,97.921 201.756,97.921 208.244,97.921 209.444,97.921 210.644,97.921 211.844,97.921 213.044,97.921 214.244,97.921 215.444,97.921 216.644,97.921 143.373,98.48 146.627,98.48 173.373,98.48 176.627,98.48 203.373,98.481 206.627,98.481 143.491,99.067 146.509,99.067 173.491,99.067 176.509,99.067 203.491,99.068 206.509,99.068 133.956,99.12 135.156,99.12 136.356,99.12 137.556,99.12 138.756,99.12 139.956,99.12 141.156,99.12 142.356,99.12 147.644,99.12 148.844,99.12 150.044,99.12 151.244,99.12 152.444,99.12 153.644,99.12 154.844,99.12 156.044,99.12 163.956,99.12 165.156,99.12 166.356,99.12 167.556,99.12 168.756,99.12 169.956,99.12 171.156,99.12 172.356,99.12 177.644,99.12 178.844,99.12 180.044,99.12 181.244,99.12 182.444,99.12 183.644,99.12 184.844,99.12 186.044,99.12 193.956,99.121 195.156,99.121 196.356,99.121 197.556,99.121 198.756,99.121 199.956,99.121 201.156,99.121 202.356,99.121 207.644,99.121 208.844,99.121 210.044,99.121 211.244,99.121 212.444,99.121 213.644,99.121 214.844,99.121 216.044,99.121 143.6,99.655 146.4,99.655 173.6,99.655 176.4,99.655 203.6,99.656 206.4,99.656
SIG: pad.2

## Polygon pours and split planes (outlines as drawn)
GND on Bottom Layer "GND Plane" (solid, remove dead copper, pour order 0): 0,0 0,49.998 40,49.998 40,52.498 70,52.498 70,59.999 100,59.999 100,64.999 130,64.999 130,100 230,100 230,0

## Other copper
Top Layer:
  region net GND: 203.529,25.002 206.471,25.002 206.471,35.001 203.529,35.001
  region: 206.471,75.001 203.529,75.001 203.529,65.002 206.471,65.002
  region: 83.529,25.001 86.471,25.001 86.471,34.999 83.529,34.999
  region: 143.529,25.001 146.471,25.001 146.471,75 143.529,75
  region: 113.529,25.001 116.471,25.001 116.471,39.999 113.529,39.999
  region: 53.529,25 56.471,25 56.471,27.499 53.529,27.499

## Silkscreen, mask and mechanical layers (free items; w line width, h text height)
Bottom Overlay:
  drawing of 12 lines, arcs and shapes, not listed
Top Solder:
  region: 192.778,25.002 217.222,25.002 217.222,35.001 192.778,35.001
  region: 217.222,75.001 192.778,75.001 192.778,65.002 217.222,65.002
  region: 72.778,25.001 97.222,25.001 97.222,34.999 72.778,34.999
  region: 132.778,25.001 157.222,25.001 157.222,75 132.778,75
  region: 102.778,25.001 127.222,25.001 127.222,39.999 102.778,39.999
  region: 42.778,25 67.222,25 67.222,27.499 42.778,27.499
Board Shape:
  the board outline again, w0.2
Design Guide:
  lines w0.2: 0,0 25,0 40,0 55,0 70,0 85,0.001 ; 0,49.998 25,49.998 40,49.998 ; 40,52.498 55,52.498 70,52.499 ; 70,59.999 85,59.999 100,59.999 ; 85,0.001 100,0.001 115,0.001 130,0.001 145,0.001 160,0.002 175,0.002 ; 100,64.999 115,64.999 ; 115,64.999 130,64.999 ; 130,100 145,100 160,100 175,100 190,100 ; 175,0.002 190,0.002 205,0.002 ; 190,100.001 205,100.001 ; 205,0.002 230,0.002 ; 205,100 230,100

## Dimensions
230,0 to 230,100 on Dimensions
187.222,25.002 to 187.222,75 on Top Overlay
0,0 to 230,0.002 on Dimensions